# Altium PCB Proyecto0.PcbDoc (part 1 of 5) (continued)
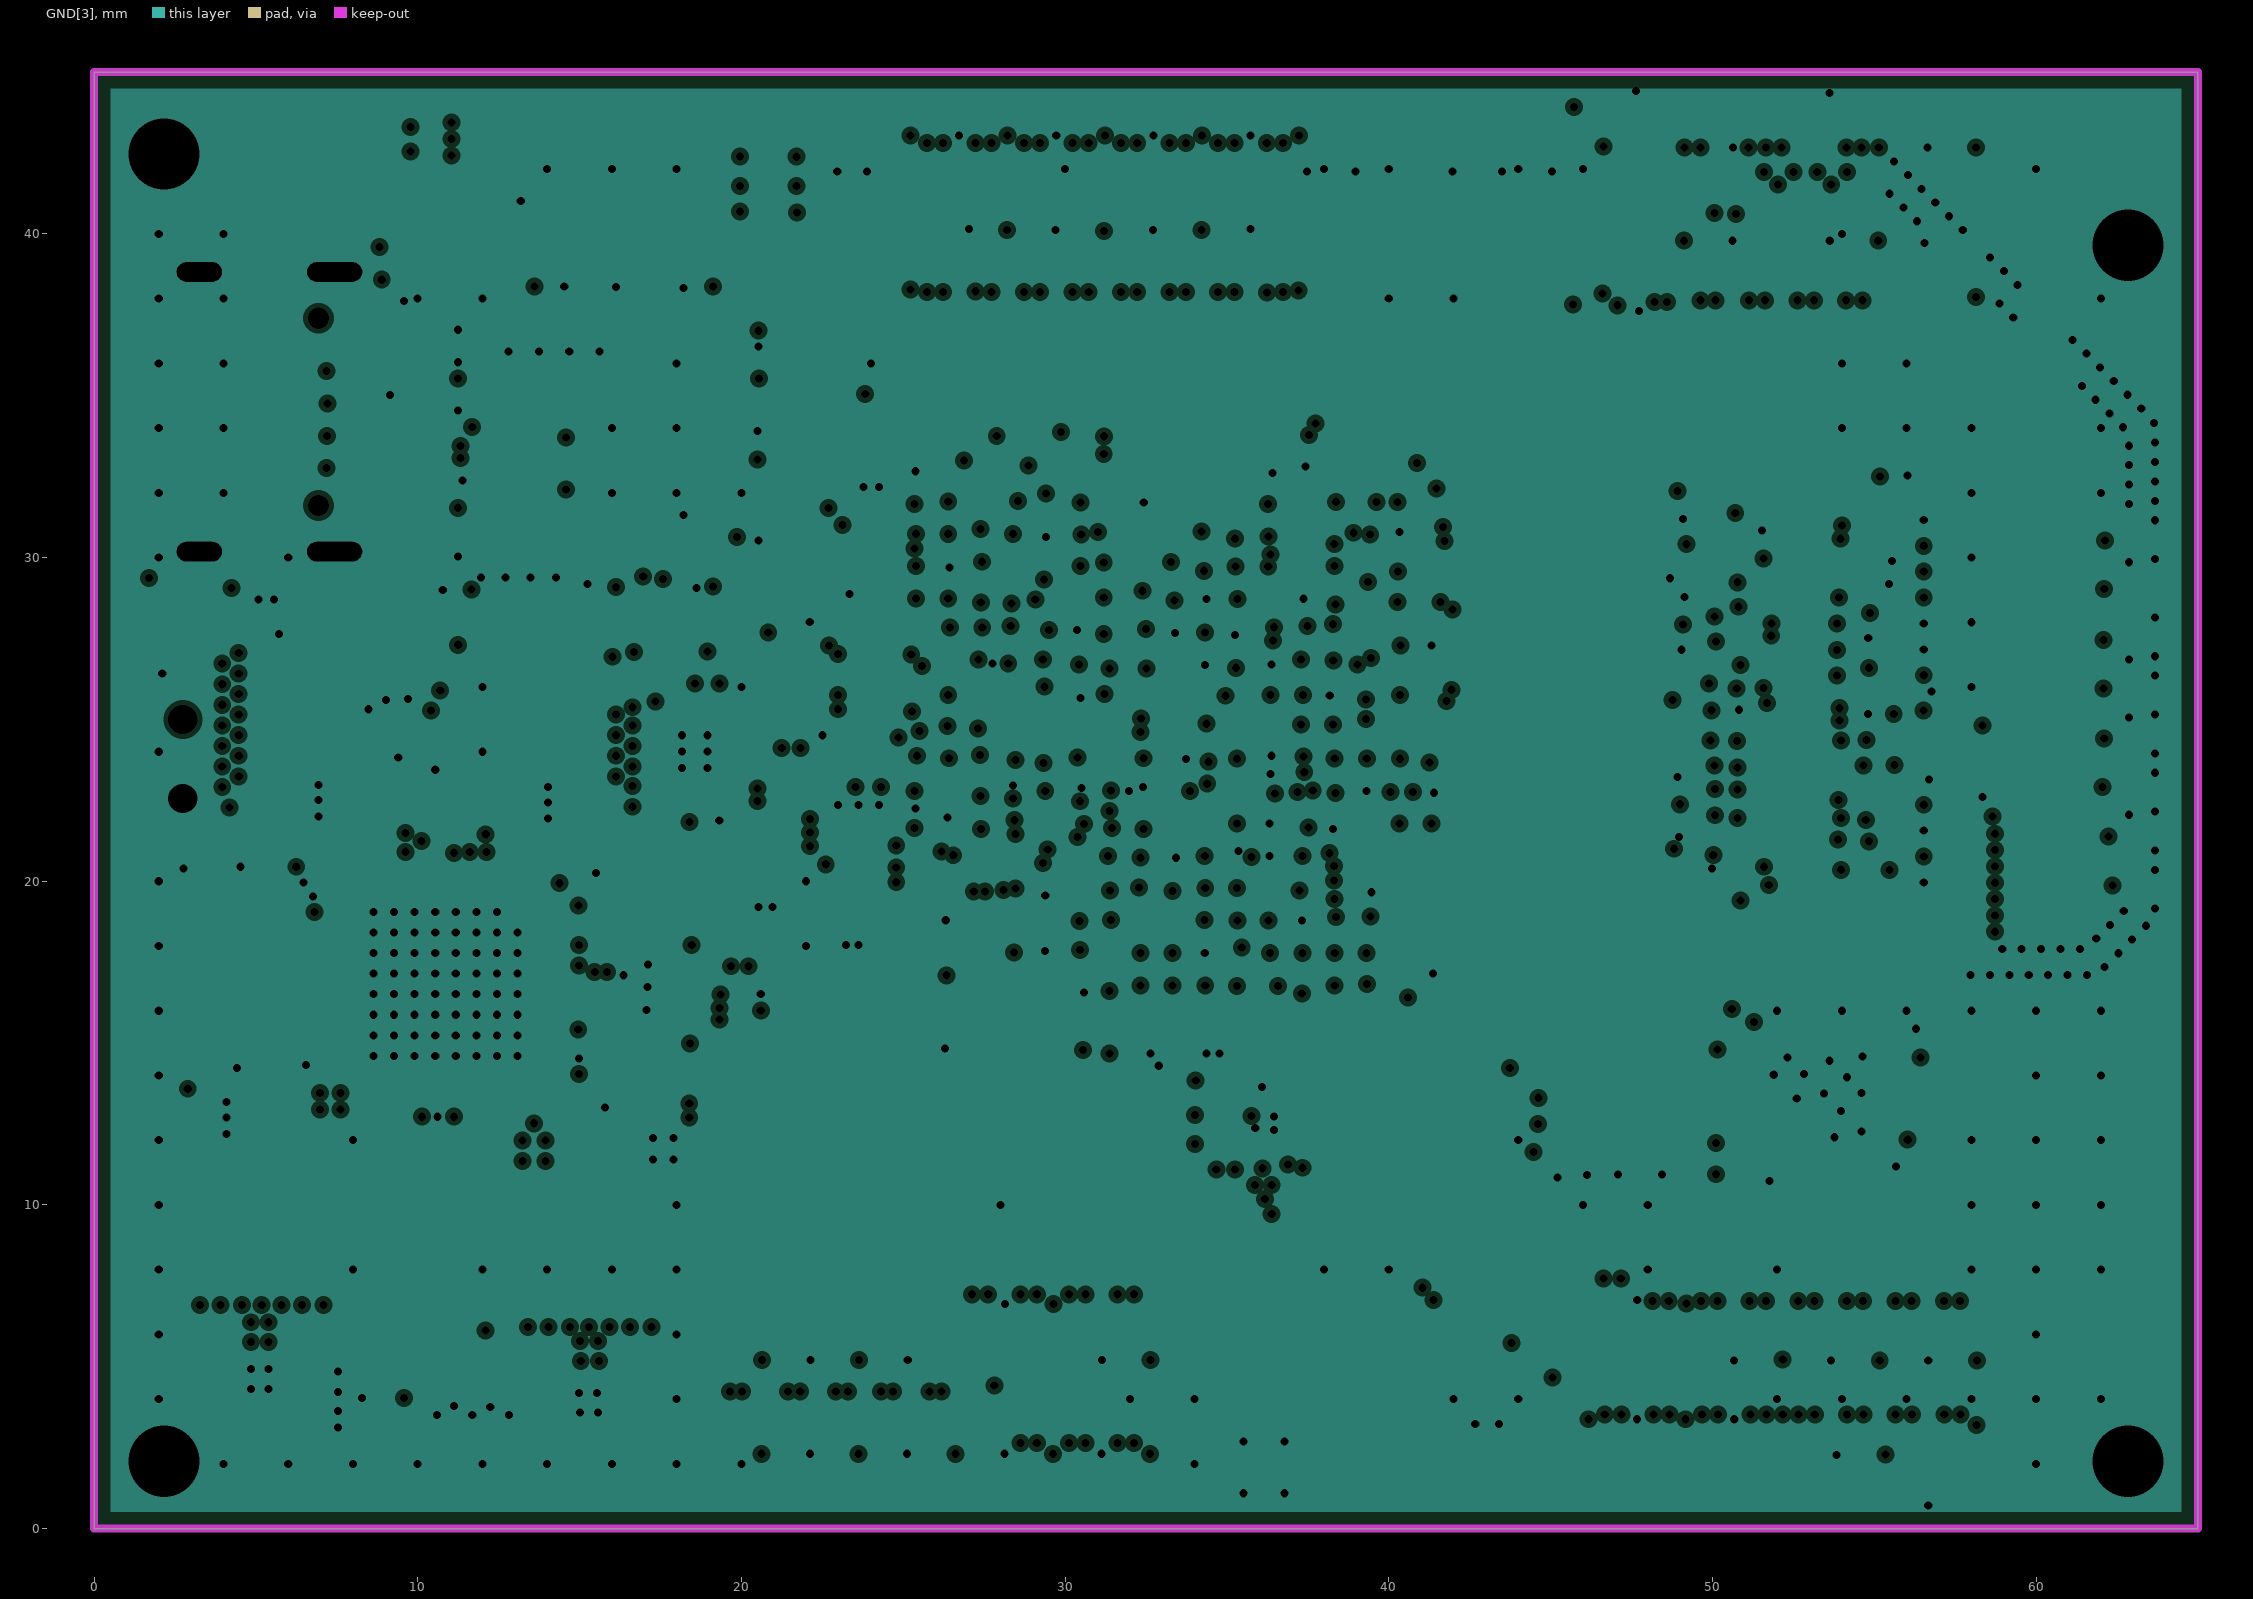
[diagram p8: GND[3], clearances drawn from the general rule]
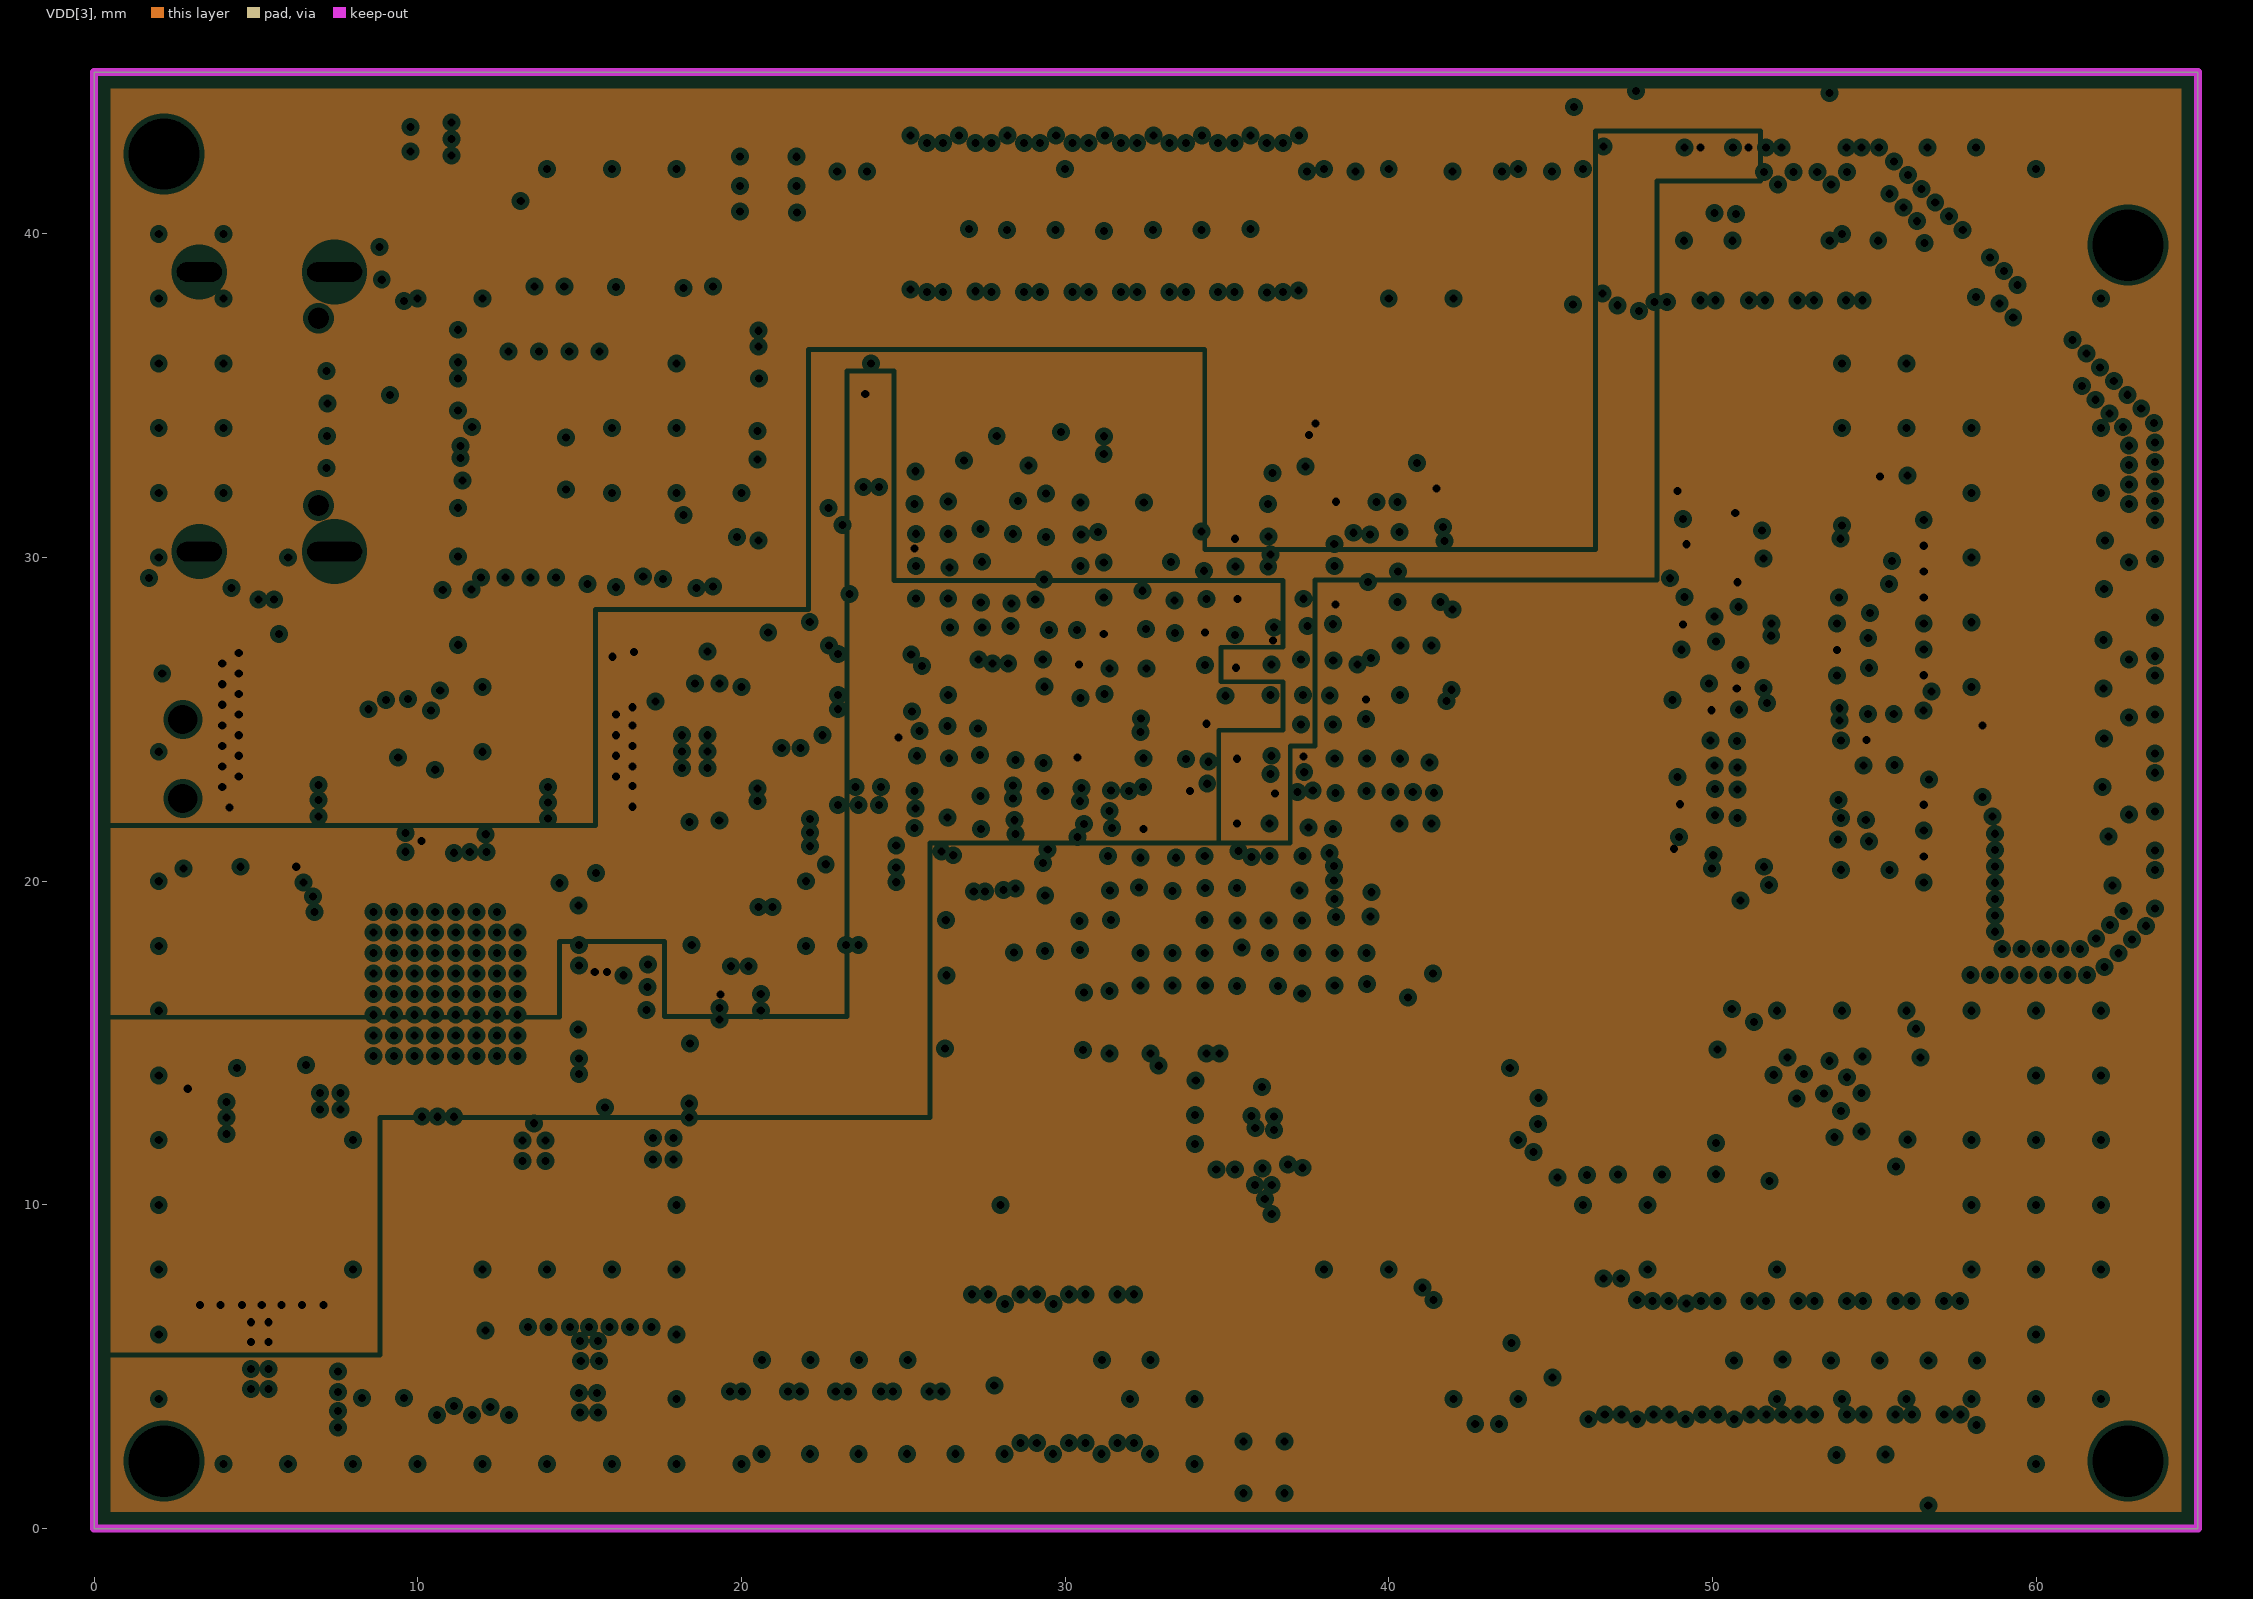
[diagram p9: VDD[3], clearances drawn from the general rule]
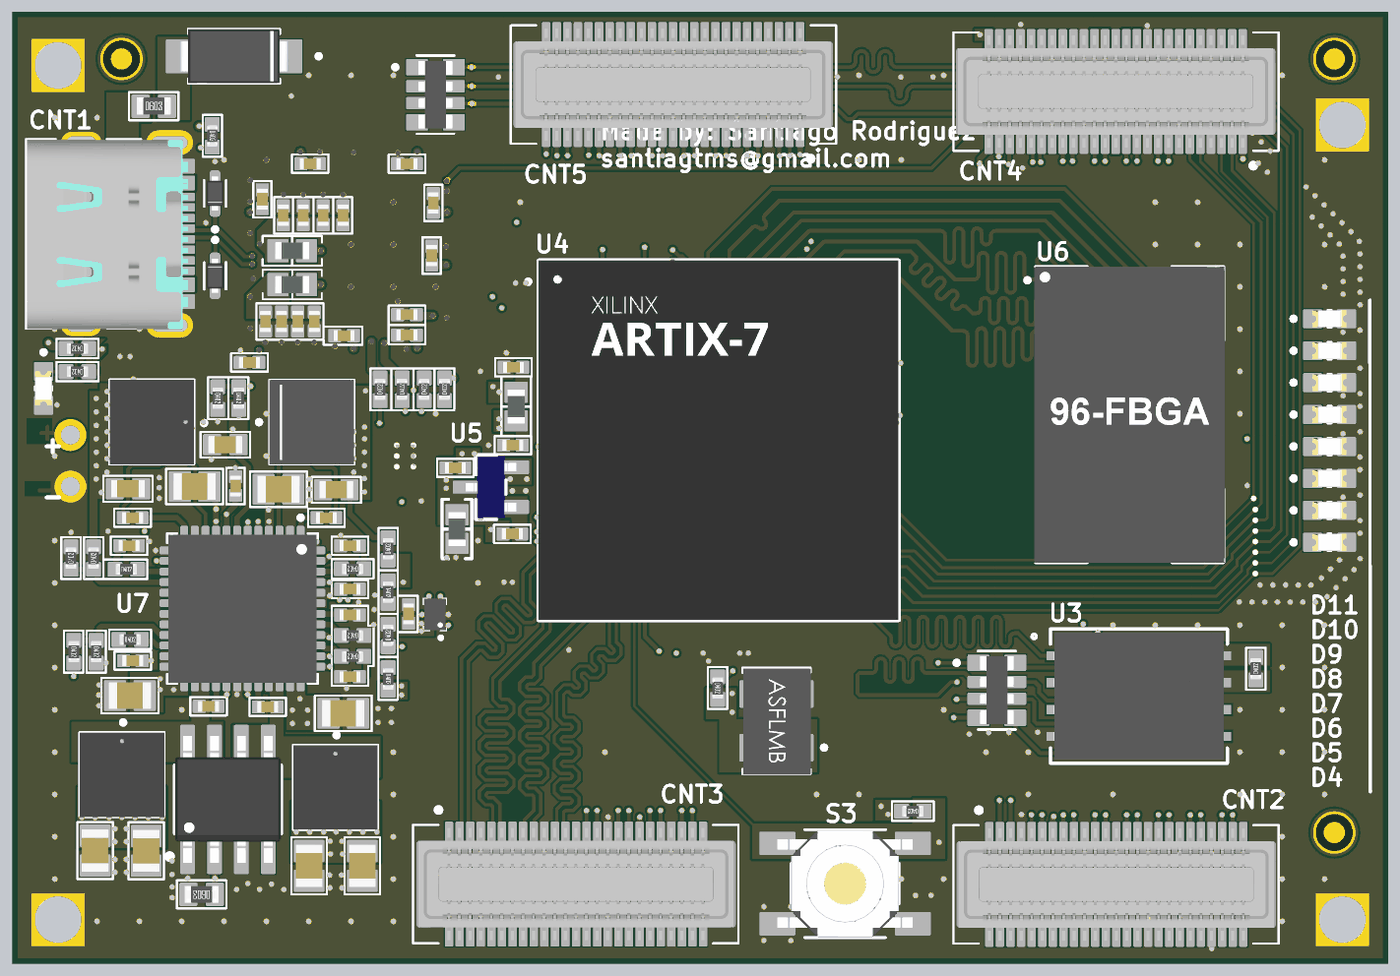
[diagram p14: 3D render of the assembled board from above, using the file's embedded part models]
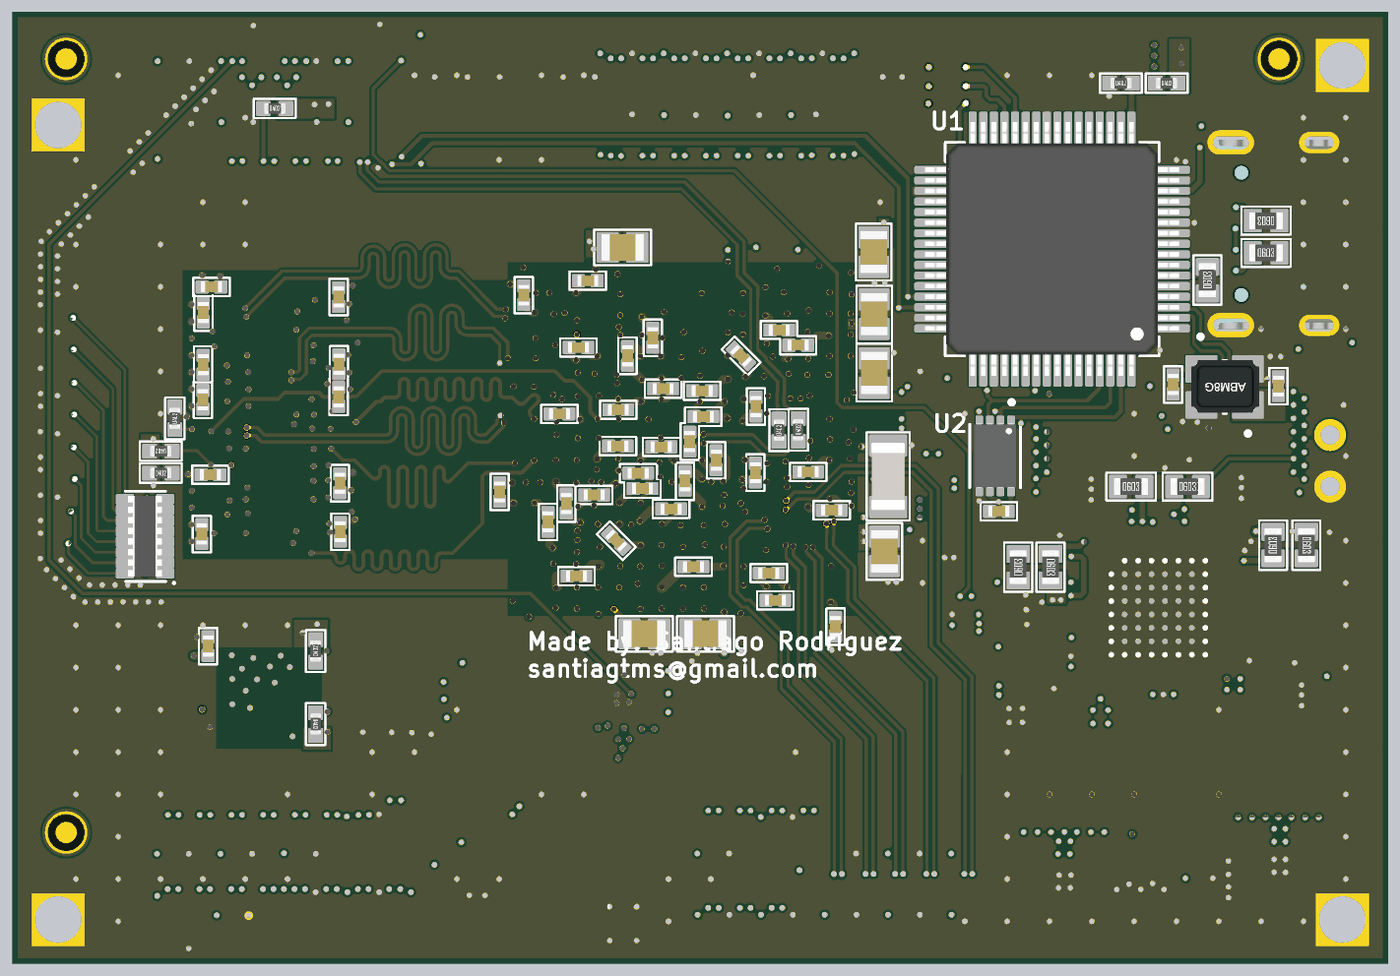
[diagram p15: 3D render of the assembled board from below, using the file's embedded part models]

## Layer stack, top to bottom
Top Solder: solder mask 0.0102, Solder Resist, Dk 3.5
TOP: signal copper 0.0175
Dielectric 2: prepreg 0.103, PP-015, Dk 4.45
GND[1]: plane copper 0.035, net GND
Dielectric 3: core 0.23, PP-006, Dk 4.6
VDD[1]: plane copper 0.035, net (Multiple Nets)
Dielectric 4: prepreg 0.196, PP-023, Dk 4.74
Signal[1]: signal copper 0.035
Dielectric 5: core 0.23, PP-006, Dk 4.6
GND[2]: plane copper 0.035, net GND
Dielectric 1: prepreg 0.196, PP-023, Dk 4.74
VDD[2]: plane copper 0.035, net (Multiple Nets)
Dielectric 6: core 0.23, PP-006, Dk 4.6
Signal[2]: signal copper 0.035
Dielectric 7: prepreg 0.196, PP-023, Dk 4.74
GND[3]: plane copper 0.035, net GND
Dielectric 8: core 0.23, PP-006, Dk 4.6
VDD[3]: plane copper 0.035, net (Multiple Nets)
Dielectric 9: prepreg 0.103, PP-015, Dk 4.45
BOT: signal copper 0.0175
Bottom Solder: solder mask 0.0102, Solder Resist, Dk 3.5

## Board outline
0,41 0,45 65,45 65,0 0,0

## Design rules (kind name [scope] priority, off if disabled: settings)
BoardOutlineClearance [All] p1: gap=0.25 ignorepadtopadclearanceinfootprint=FALSE
Clearance Any_Net_To_Any_Net [All] p1: gap=0.102 ignorepadtopadclearanceinfootprint=TRUE except(0.051: Arc-Arc Arc-Track Arc-THPad Arc-Via Track-Track Track-THPad Track-Via SMDPad-THPad SMDPad-Via THPad-THPad THPad-Via Via-Via)
Clearance Diff_DDR_CLK_Betwen_any [InAnyDifferentialPair vs not InAnyDifferentialPair] p2: gap=0.508 ignorepadtopadclearanceinfootprint=TRUE
Clearance Diff_DDR_CLK_Betwen_DiffPair [InAnyDifferentialPair vs InAnyDifferentialPair] p3: gap=0.508 ignorepadtopadclearanceinfootprint=TRUE
DiffPairsRouting DiffPairsRouting_DDR_CLK_DIF [InDifferentialPairClass('DDR_CLK_DIFF')] p1: maxlimit=0.254 minlimit=0.178 mostfreqgap=0.254 toplayer_maxgap=0.178 toplayer_prefgap=0.178 toplayer_minwidth=0.152 toplayer_maxwidth=0.152 toplayer_prefwidth=0.152 bottomlayer_maxgap=0.178 bottomlayer_prefgap=0.178 bottomlayer_minwidth=0.152 bottomlayer_maxwidth=0.152 bottomlayer_prefwidth=0.152 impedanceprofiledriven=TRUE impedanceprofileid={E70E592B-6717-4881-90EF-383EF7D50643} impedanceprofilevalue=100.000000 maxuncoupledlength=12.7
DiffPairsRouting USB_DIFF [InDifferentialPairClass('USB_DIFF')] p2: maxlimit=0.254 minlimit=0.178 mostfreqgap=0.254 toplayer_maxgap=0.178 toplayer_prefgap=0.178 toplayer_minwidth=0.178 toplayer_maxwidth=0.178 toplayer_prefwidth=0.178 bottomlayer_maxgap=0.178 bottomlayer_prefgap=0.178 bottomlayer_minwidth=0.178 bottomlayer_maxwidth=0.178 bottomlayer_prefwidth=0.178 impedanceprofiledriven=TRUE impedanceprofileid={FE4D8C82-CC1B-473A-AE15-ED9870852D9E} impedanceprofilevalue=90.000000 maxuncoupledlength=12.7
DiffPairsRouting WIDTH_DDR_DATA_DIFF [InDifferentialPairClass('DDR_DATA_DIF')] p3: maxlimit=0.254 minlimit=0.178 mostfreqgap=0.254 toplayer_maxgap=0.178 toplayer_prefgap=0.178 toplayer_minwidth=0.152 toplayer_maxwidth=0.152 toplayer_prefwidth=0.152 bottomlayer_maxgap=0.178 bottomlayer_prefgap=0.178 bottomlayer_minwidth=0.152 bottomlayer_maxwidth=0.152 bottomlayer_prefwidth=0.152 impedanceprofiledriven=TRUE impedanceprofileid={E70E592B-6717-4881-90EF-383EF7D50643} impedanceprofilevalue=100.000000 maxuncoupledlength=12.7
DiffPairsRouting WIDTH_DDR_CK_DIFF [InDifferentialPairClass('DDR_CK_DIFF')] p4: maxlimit=0.254 minlimit=0.178 mostfreqgap=0.254 toplayer_maxgap=0.178 toplayer_prefgap=0.178 toplayer_minwidth=0.152 toplayer_maxwidth=0.152 toplayer_prefwidth=0.152 bottomlayer_maxgap=0.178 bottomlayer_prefgap=0.178 bottomlayer_minwidth=0.152 bottomlayer_maxwidth=0.152 bottomlayer_prefwidth=0.152 impedanceprofiledriven=TRUE impedanceprofileid={E70E592B-6717-4881-90EF-383EF7D50643} impedanceprofilevalue=100.000000 maxuncoupledlength=12.7
DiffPairsRouting BANK_34_DIFF [InDifferentialPairClass('BANK_34_DIFF')] p5: maxlimit=0.254 minlimit=0.178 mostfreqgap=0.254 toplayer_maxgap=0.178 toplayer_prefgap=0.178 toplayer_minwidth=0.152 toplayer_maxwidth=0.152 toplayer_prefwidth=0.152 bottomlayer_maxgap=0.178 bottomlayer_prefgap=0.178 bottomlayer_minwidth=0.152 bottomlayer_maxwidth=0.152 bottomlayer_prefwidth=0.152 impedanceprofiledriven=TRUE impedanceprofileid={E70E592B-6717-4881-90EF-383EF7D50643} impedanceprofilevalue=100.000000 maxuncoupledlength=12.7
DiffPairsRouting ADC_UNFILTERED [InDifferentialPairClass('ADC_DIFF_UNFILTERED')] p6: maxlimit=0.254 minlimit=0.178 mostfreqgap=0.254 toplayer_maxgap=0.178 toplayer_prefgap=0.178 toplayer_minwidth=0.152 toplayer_maxwidth=0.152 toplayer_prefwidth=0.152 bottomlayer_maxgap=0.178 bottomlayer_prefgap=0.178 bottomlayer_minwidth=0.152 bottomlayer_maxwidth=0.152 bottomlayer_prefwidth=0.152 impedanceprofiledriven=TRUE impedanceprofileid={E70E592B-6717-4881-90EF-383EF7D50643} impedanceprofilevalue=100.000000 maxuncoupledlength=12.7
DiffPairsRouting ADC_FILTERED [InDifferentialPairClass('ADC_DIFF_FILTERED')] p7: maxlimit=0.254 minlimit=0.178 mostfreqgap=0.254 toplayer_maxgap=0.178 toplayer_prefgap=0.178 toplayer_minwidth=0.152 toplayer_maxwidth=0.152 toplayer_prefwidth=0.152 bottomlayer_maxgap=0.178 bottomlayer_prefgap=0.178 bottomlayer_minwidth=0.152 bottomlayer_maxwidth=0.152 bottomlayer_prefwidth=0.152 impedanceprofiledriven=TRUE impedanceprofileid={E70E592B-6717-4881-90EF-383EF7D50643} impedanceprofilevalue=100.000000 maxuncoupledlength=12.7
HoleSize [All] p1: absolutevalues=TRUE maxlimit=0.25 minlimit=0.25 maxpercent=80.000 minpercent=20.000
HoleToHoleClearance [All] p1: gap=0.076 allowstackedmicrovias=TRUE
LayerPairs [All] p1: enforce=FALSE
Length [InNetClass('DDR_DATA')] p1: maxlimit=2540 minlimit=0
MatchedLengths MatchedLengths_FLASH_SPI_T [InNetClass('FLASH_SPI_T')] p1: tolerance=5.08 checknetsindiffpair=FALSE checkdiffpairvsdiffpair=TRUE checkxsignals=TRUE checkothers=TRUE
MatchedLengths MatchedLengths_FLASH_SPI [InNetClass('FLASH_SPI')] p2: tolerance=12.7 checknetsindiffpair=FALSE checkdiffpairvsdiffpair=TRUE checkxsignals=TRUE checkothers=TRUE
MatchedLengths MatchedLengths_EEPROM [InNetClass('EEPROM_SIGNALS')] p3: tolerance=0.508 checknetsindiffpair=FALSE checkdiffpairvsdiffpair=TRUE checkxsignals=TRUE checkothers=TRUE
MatchedLengths MatchedLengths_DDR_CTRL [InNetClass('DDR_CTRL') OR InNetClass('DDR_CLK')] p4: tolerance=0.635 checknetsindiffpair=FALSE checkdiffpairvsdiffpair=TRUE checkxsignals=TRUE checkothers=TRUE
MatchedLengths MatchedLengths_DDR_ADD/CMD [InNetClass('DDR_ADD/CMD') OR InNetClass('DDR_CLK')] p5: tolerance=0.635 checknetsindiffpair=FALSE checkdiffpairvsdiffpair=TRUE checkxsignals=TRUE checkothers=TRUE
MatchedLengths MatchedLengths_DDR_DATA [InNetClass('DDR_DATA')] p6: tolerance=0.635 checknetsindiffpair=FALSE checkdiffpairvsdiffpair=TRUE checkxsignals=TRUE checkothers=TRUE
MatchedLengths MatchedLengths_DDR_CLK_DIFF [InDifferentialPairClass('DDR_CK_DIFF')] p7: tolerance=0.508 checknetsindiffpair=TRUE checkdiffpairvsdiffpair=FALSE checkxsignals=FALSE checkothers=FALSE
MinimumAnnularRing [All] p1: minimumring=0.05
PasteMaskExpansion [All] p1: expansion=0.051
PlaneClearance [All] p1: clearance=0.152
PlaneConnect [All] p1: planeconnectstyle=Direct reliefexpansion=0.508 reliefentries=4 reliefconductorwidth=0.254 reliefairgap=0.254
PolygonConnect [All] p1: connectstyle=Direct reliefconductorwidth=0.127 reliefentries=4 polygonreliefangle="90 Angle" airgapwidth=0.102
RoutingPriority [InNetClass('ADD[14..0]')] p1: routingpriority=0
RoutingVias Signal_vias [All] p1: holewidth=0.25 width=0.3 viastyle="Through Hole" minholewidth=0.25 minwidth=0.3 maxholewidth=0.25 maxwidth=0.3
SolderMaskExpansion [All] p1: expansion=0.051 istentingtop=FALSE soldermaskfromhole=TRUE
UnRoutedNet [All] p1: checkbadconnections=TRUE
Width Width_GND [InNet('GND')] p1: maxlimit=0.457 minlimit=0.152 preferedwidth=0.254
Width WIDTH_DDR_DATA [InNetClass('DDR_DATA')] p2: maxlimit=0.178 minlimit=0.152 preferedwidth=0.178 toplayer_minwidth=0.178 midlayer2_maxwidth=0.152 midlayer2_prefwidth=0.152 midlayer6_maxwidth=0.152 midlayer6_prefwidth=0.152 bottomlayer_minwidth=0.178 impedanceprofiledriven=TRUE impedanceprofileid={713964CD-7AE4-42B9-9263-9FE57CD8E892} impedanceprofilevalue=50.000000 minimp=50.000000 maximp=50.000000 favimp=50.000000
Width Width_Leds&Button [InNetClass('Leds&ResetButton')] p3: maxlimit=0.152 minlimit=0.152 preferedwidth=0.152
Width FPGA_UART_SIGNALS [InNetClass('FPGA_UART_SIGNALS')] p4: maxlimit=0.178 minlimit=0.152 preferedwidth=0.178 toplayer_minwidth=0.178 midlayer2_maxwidth=0.152 midlayer2_prefwidth=0.152 midlayer6_maxwidth=0.152 midlayer6_prefwidth=0.152 bottomlayer_minwidth=0.178 impedanceprofiledriven=TRUE impedanceprofileid={713964CD-7AE4-42B9-9263-9FE57CD8E892} impedanceprofilevalue=50.000000 minimp=50.000000 maximp=50.000000 favimp=50.000000
Width FPGA_CONFIG_2 [InNetClass('FPGA_CONFIG_SIGNALS_2')] p5: maxlimit=0.178 minlimit=0.152 preferedwidth=0.178 toplayer_minwidth=0.178 midlayer2_maxwidth=0.152 midlayer2_prefwidth=0.152 midlayer6_maxwidth=0.152 midlayer6_prefwidth=0.152 bottomlayer_minwidth=0.178 impedanceprofiledriven=TRUE impedanceprofileid={713964CD-7AE4-42B9-9263-9FE57CD8E892} impedanceprofilevalue=50.000000 minimp=50.000000 maximp=50.000000 favimp=50.000000
Width FPGA_CONFIG_1 [InNetClass('FPGA_CONFIG_SIGNALS_1')] p6: maxlimit=0.178 minlimit=0.152 preferedwidth=0.178 toplayer_minwidth=0.178 midlayer2_maxwidth=0.152 midlayer2_prefwidth=0.152 midlayer6_maxwidth=0.152 midlayer6_prefwidth=0.152 bottomlayer_minwidth=0.178 impedanceprofiledriven=TRUE impedanceprofileid={713964CD-7AE4-42B9-9263-9FE57CD8E892} impedanceprofilevalue=50.000000 minimp=50.000000 maximp=50.000000 favimp=50.000000
Width FLASH_SPI_T [InNetClass('FLASH_SPI_T')] p7: maxlimit=0.178 minlimit=0.152 preferedwidth=0.178 toplayer_minwidth=0.178 midlayer2_maxwidth=0.152 midlayer2_prefwidth=0.152 midlayer6_maxwidth=0.152 midlayer6_prefwidth=0.152 bottomlayer_minwidth=0.178 impedanceprofiledriven=TRUE impedanceprofileid={713964CD-7AE4-42B9-9263-9FE57CD8E892} impedanceprofilevalue=50.000000 minimp=50.000000 maximp=50.000000 favimp=50.000000
Width FLASH_SPI [InNetClass('FLASH_SPI')] p8: maxlimit=0.178 minlimit=0.152 preferedwidth=0.178 toplayer_minwidth=0.178 midlayer2_maxwidth=0.152 midlayer2_prefwidth=0.152 midlayer6_maxwidth=0.152 midlayer6_prefwidth=0.152 bottomlayer_minwidth=0.178 impedanceprofiledriven=TRUE impedanceprofileid={713964CD-7AE4-42B9-9263-9FE57CD8E892} impedanceprofilevalue=50.000000 minimp=50.000000 maximp=50.000000 favimp=50.000000
Width EEPROM [InNetClass('EEPROM_SIGNALS')] p9: maxlimit=0.178 minlimit=0.152 preferedwidth=0.178 toplayer_minwidth=0.178 midlayer2_maxwidth=0.152 midlayer2_prefwidth=0.152 midlayer6_maxwidth=0.152 midlayer6_prefwidth=0.152 bottomlayer_minwidth=0.178 impedanceprofiledriven=TRUE impedanceprofileid={713964CD-7AE4-42B9-9263-9FE57CD8E892} impedanceprofilevalue=50.000000 minimp=50.000000 maximp=50.000000 favimp=50.000000
Width WIDTH_DDR_CTRL [InNetClass('DDR_CTRL')] p10: maxlimit=0.178 minlimit=0.152 preferedwidth=0.178 toplayer_minwidth=0.178 midlayer2_maxwidth=0.152 midlayer2_prefwidth=0.152 midlayer6_maxwidth=0.152 midlayer6_prefwidth=0.152 bottomlayer_minwidth=0.178 impedanceprofiledriven=TRUE impedanceprofileid={713964CD-7AE4-42B9-9263-9FE57CD8E892} impedanceprofilevalue=50.000000 minimp=50.000000 maximp=50.000000 favimp=50.000000
Width WIDTH_DDR_ADD/CMD [InNetClass('DDR_ADD/CMD')] p11: maxlimit=0.178 minlimit=0.152 preferedwidth=0.178 toplayer_minwidth=0.178 midlayer2_maxwidth=0.152 midlayer2_prefwidth=0.152 midlayer6_maxwidth=0.152 midlayer6_prefwidth=0.152 bottomlayer_minwidth=0.178 impedanceprofiledriven=TRUE impedanceprofileid={713964CD-7AE4-42B9-9263-9FE57CD8E892} impedanceprofilevalue=50.000000 minimp=50.000000 maximp=50.000000 favimp=50.000000
Width 100MHz [InNetClass('100MHz')] p12: maxlimit=0.178 minlimit=0.152 preferedwidth=0.178 toplayer_minwidth=0.178 midlayer2_maxwidth=0.152 midlayer2_prefwidth=0.152 midlayer6_maxwidth=0.152 midlayer6_prefwidth=0.152 bottomlayer_minwidth=0.178 impedanceprofiledriven=TRUE impedanceprofileid={713964CD-7AE4-42B9-9263-9FE57CD8E892} impedanceprofilevalue=50.000000 minimp=50.000000 maximp=50.000000 favimp=50.000000
Width Bank_34 [InNetClass('BANK_34')] p13: maxlimit=0.178 minlimit=0.152 preferedwidth=0.178 toplayer_minwidth=0.178 midlayer2_maxwidth=0.152 midlayer2_prefwidth=0.152 midlayer6_maxwidth=0.152 midlayer6_prefwidth=0.152 bottomlayer_minwidth=0.178 impedanceprofiledriven=TRUE impedanceprofileid={713964CD-7AE4-42B9-9263-9FE57CD8E892} impedanceprofilevalue=50.000000 minimp=50.000000 maximp=50.000000 favimp=50.000000
Width Bank_35 [InNetClass('Bank_35')] p14: maxlimit=0.178 minlimit=0.152 preferedwidth=0.178 toplayer_minwidth=0.178 midlayer2_maxwidth=0.152 midlayer2_prefwidth=0.152 midlayer6_maxwidth=0.152 midlayer6_prefwidth=0.152 bottomlayer_minwidth=0.178 impedanceprofiledriven=TRUE impedanceprofileid={713964CD-7AE4-42B9-9263-9FE57CD8E892} impedanceprofilevalue=50.000000 minimp=50.000000 maximp=50.000000 favimp=50.000000
Width Bank_14 [InNetClass('Bank_14')] p15: maxlimit=0.178 minlimit=0.152 preferedwidth=0.178 toplayer_minwidth=0.178 midlayer2_maxwidth=0.152 midlayer2_prefwidth=0.152 midlayer6_maxwidth=0.152 midlayer6_prefwidth=0.152 bottomlayer_minwidth=0.178 impedanceprofiledriven=TRUE impedanceprofileid={713964CD-7AE4-42B9-9263-9FE57CD8E892} impedanceprofilevalue=50.000000 minimp=50.000000 maximp=50.000000 favimp=50.000000
21 further rules are at their usual default settings.
